# KiCad board mtk64_R_rev2.kicad_pcb (continued)
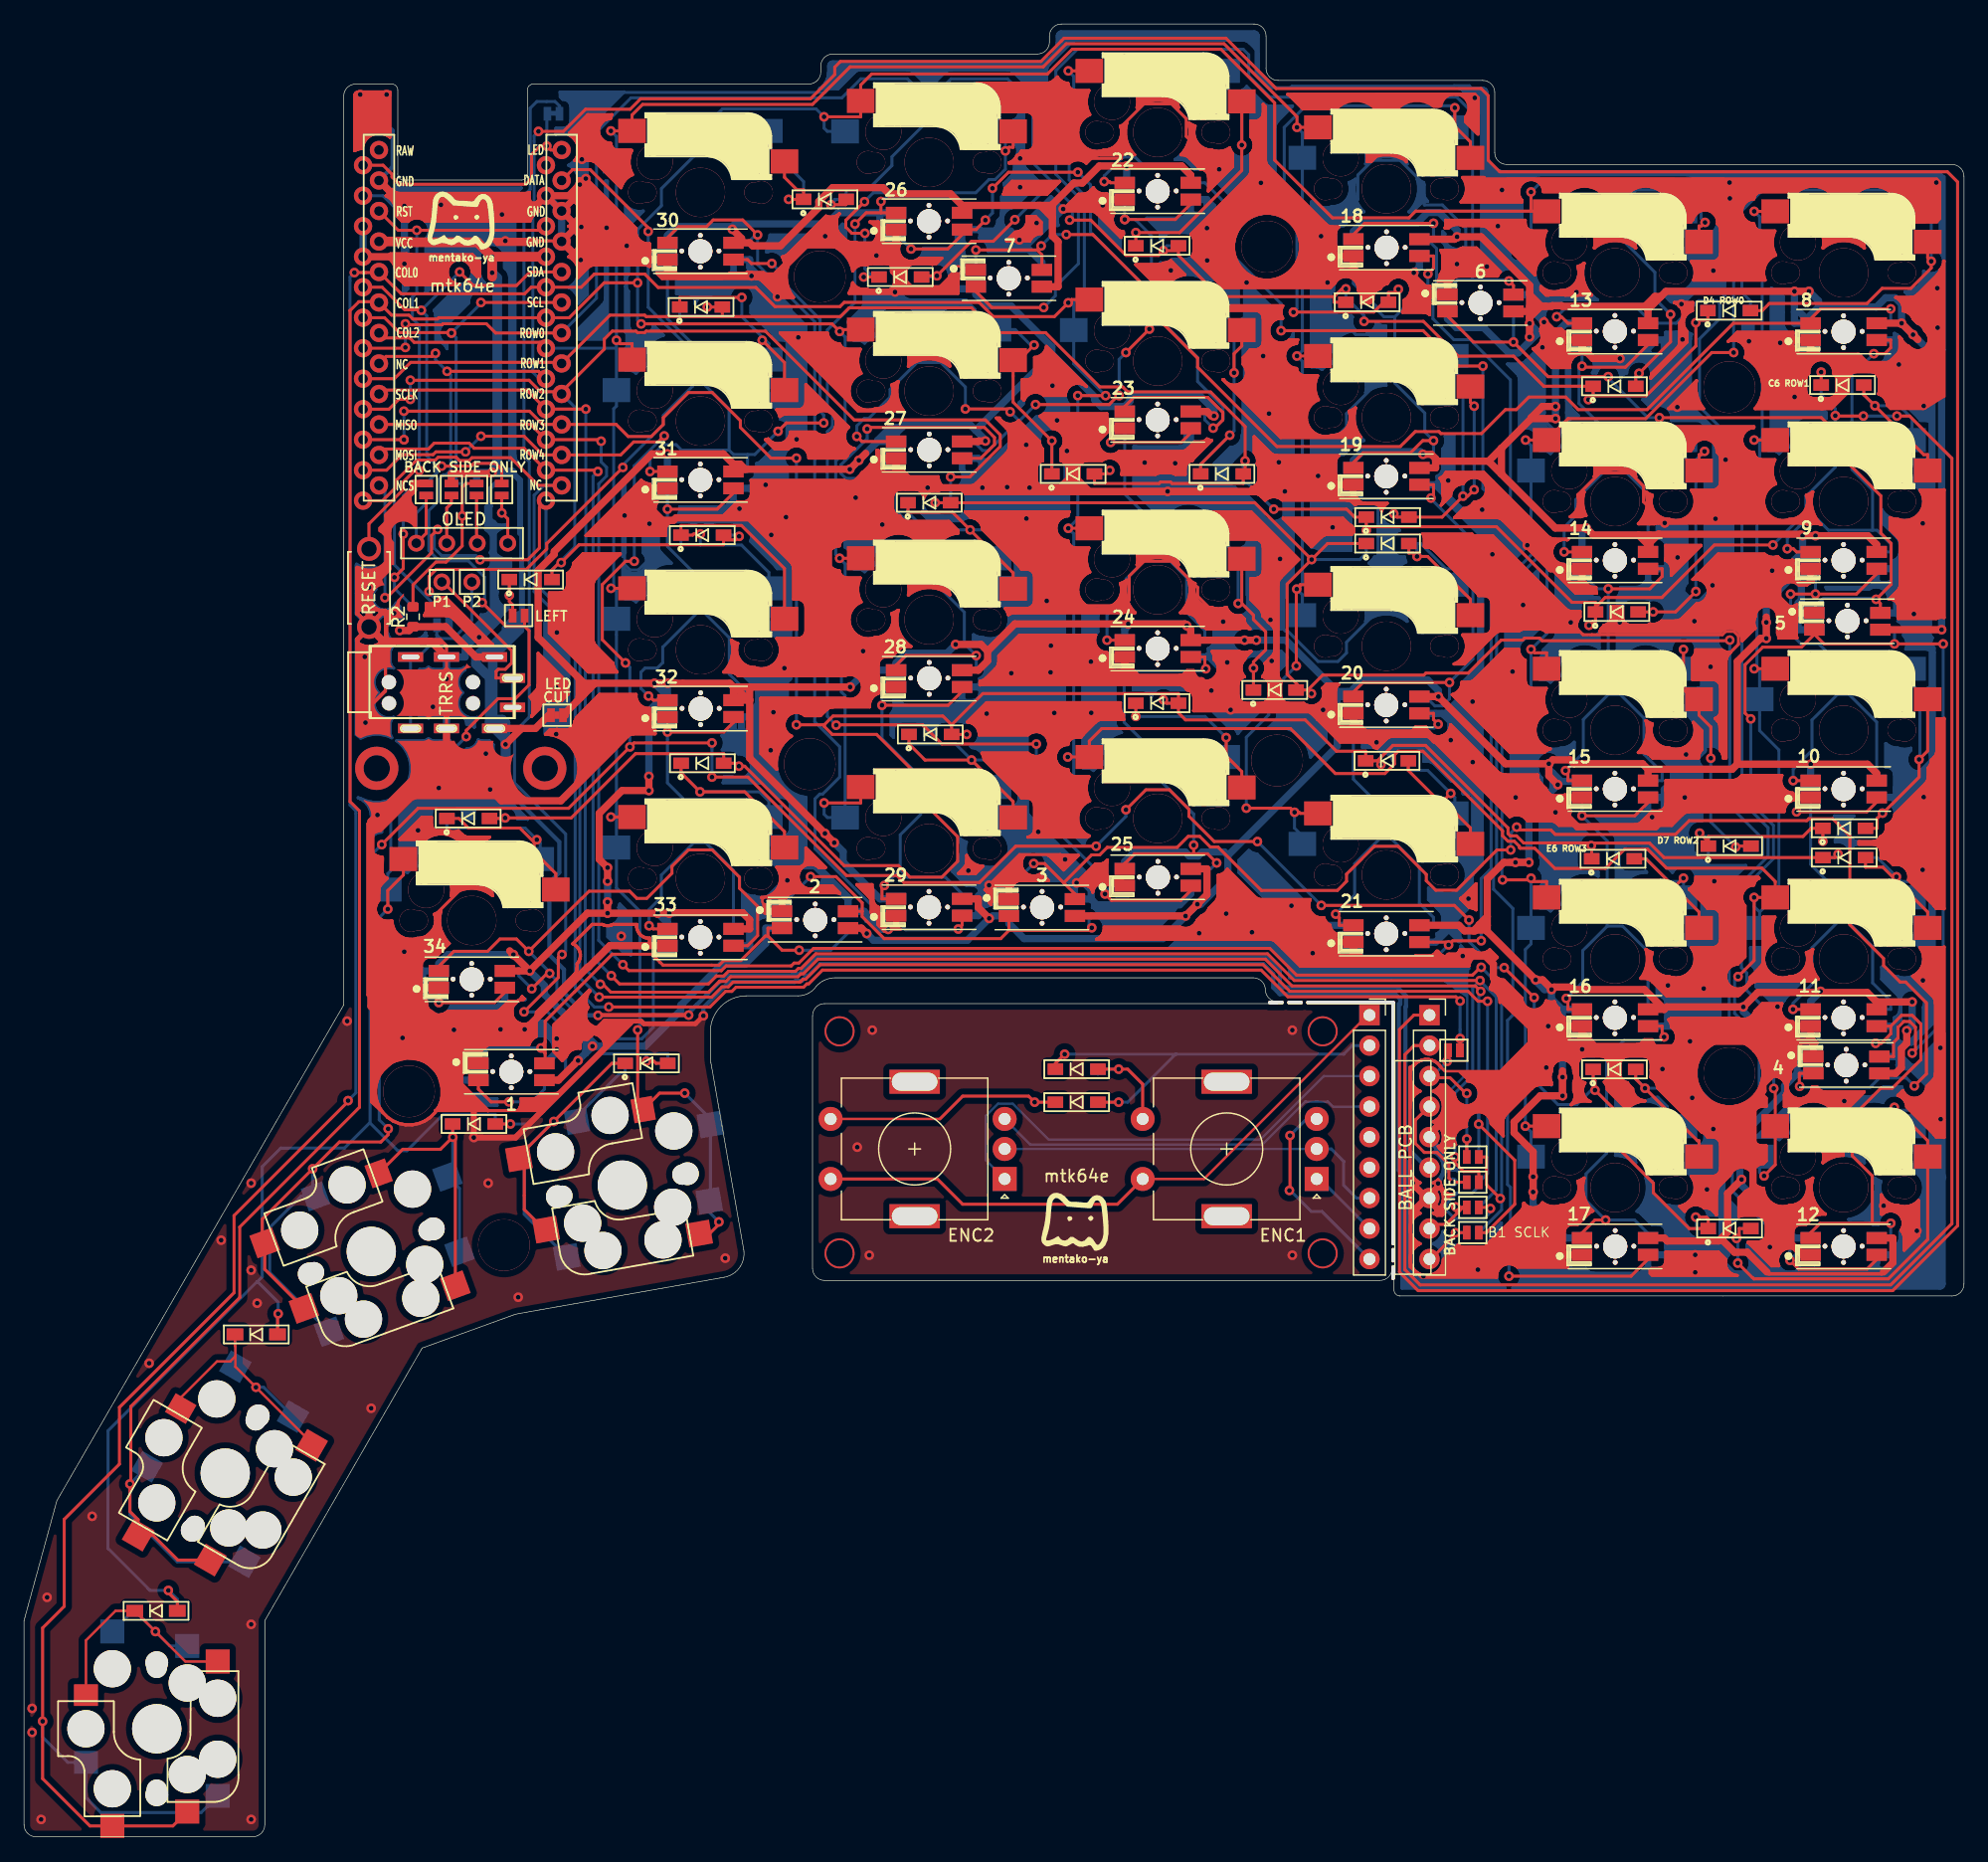
[diagram p0: board, top side]
## Routing (per net, layer and track width the routed paths; a pad name or vN(x,y) marks a point on that pad's centre or on a via; arc(x,y) is an arc through that point) (continued)
130.62,104.09 ; 130.49,104.13 130.62,104.09 ; 157.11,134.39 157.01,134.31 ; 157.11,134.39 157.01,134.31 ; 157.11,134.39 157.22,134.45 ; 157.11,134.39 157.22,134.45 ; 131.29,113.61 130.85,113.31 ; 131.29,113.61 131.78,113.81 ; 131.29,113.61 130.85,113.31 ; 131.29,113.61 131.78,113.81 ; 130.85,113.31 130.83,113.3 ; 130.85,113.31 130.83,113.3 ; 44.76,103.62 44.88,103.66 ; 44.76,103.62 44.63,103.61 ; 44.76,103.62 44.63,103.61 ; 44.76,103.62 44.88,103.66 ; 44.88,103.66 44.99,103.72 ; 44.88,103.66 44.99,103.72 ; 112.99,128.93 113.05,129.05 ; 112.99,128.93 113.05,129.05 ; 67.65,105.5 67.85,105.46 ; 67.65,105.5 67.46,105.58 ; 67.65,105.5 67.85,105.46 ; 67.65,105.5 67.46,105.58 ; 118,130.14 118.07,130.22 ; 118,130.14 118.07,130.22 ; 117.94,57.4 117.83,57.51 ; 117.94,57.4 117.92,57.37 ; 117.94,57.4 117.83,57.51 ; 117.94,57.4 117.92,57.37 ; 42.6,135.24 42.4,135.05 ; 42.6,135.24 42.4,135.05 ; 132.07,134.73 132.16,135.15 ; 132.07,134.73 131.91,134.34 ; 132.07,134.73 132.16,135.15 ; 132.07,134.73 131.91,134.34 ; 44.41,92.25 44.35,92.23 ; 44.41,92.25 44.35,92.23 ; 128.09,125.54 128.12,125.51 ; 128.09,125.54 128.07,125.56 ; 128.09,125.54 128.12,125.51 ; 128.09,125.54 128.07,125.56 ; 128.12,125.51 128.18,125.46 ; 128.12,125.51 128.18,125.46 ; 100.31,108.09 102.61,108.09 ; 100.31,108.09 102.61,108.09 ; 130.23,137.49 129.81,137.49 ; 130.23,137.49 130.64,137.41 ; 130.23,137.49 129.81,137.49 ; 130.23,137.49 130.64,137.41 ; 102.15,123.87 102.61,123.87 ; 102.15,123.87 102.09,123.76 ; 102.15,123.87 102.61,123.87 ; 102.15,123.87 102.09,123.76 ; 102.61,123.87 102.73,123.88 ; 102.61,123.87 102.73,123.88 ; 84.76,80.25 85.36,79.65 ; 84.76,80.25 85.36,79.65 ; 85.36,79.65 83.04,79.65 ; 85.36,79.65 83.04,79.65 ; 43.77,103.61 44.63,103.61 ; 43.77,103.61 44.63,103.61 ; 122.21,73.09 122.07,73.23 ; 122.21,73.09 122.07,73.23 ; 122.21,73.09 122.33,72.92 ; 122.21,73.09 122.33,72.92 ; 122.07,73.23 121.9,73.34 ; 122.07,73.23 121.9,73.34 ; 109.38,73.67 109.46,73.57 ; 109.38,73.67 109.32,73.78 ; 109.38,73.67 109.32,73.78 ; 109.38,73.67 109.46,73.57 ; 109.46,73.57 109.56,73.49 ; 109.46,73.57 109.56,73.49 ; 74.53,107.82 74.76,107.47 ; 74.53,107.82 74.76,107.47 ; 76.02,131.06 75.96,131.06 ; 76.02,131.06 75.96,131.06 ; 76.02,131.06 76.46,131.5 ; 76.02,131.06 76.46,131.5 ; 75.96,131.06 75.76,131.02 ; 75.96,131.06 75.76,131.02 ; 68.32,108.09 68.21,108.03 ; 68.32,108.09 68.21,108.03 ; 68.32,108.09 68.44,108.12 ; 68.32,108.09 68.44,108.12 ; 68.21,108.03 68.11,107.95 ; 68.21,108.03 68.11,107.95 ; 149.42,123.24 149.32,123.33 ; 149.42,123.24 149.32,123.33 ; 34.41,102.93 34.55,103.07 ; 34.41,102.93 34.55,103.07 ; 34.41,102.93 34.24,102.81 ; 34.41,102.93 34.24,102.81 ; 144.98,61.68 145.12,61.53 ; 144.98,61.68 144.87,61.85 ; 144.98,61.68 145.12,61.53 ; 144.98,61.68 144.87,61.85 ; 145.12,61.53 145.15,61.51 ; 145.12,61.53 145.15,61.51 ; 102.5,115.32 102.5,116.62 ; 102.5,115.32 102.5,116.62 ; 102.5,116.62 103.82,115.3 ; 102.5,116.62 103.82,115.3 ; 87.61,107.36 88.73,107.36 ; 87.61,107.36 87.49,107.37 ; 87.61,107.36 87.49,107.37 ; 87.61,107.36 88.73,107.36 ; 88.73,107.36 88.6,107.04 ; 88.73,107.36 88.6,107.04 ; 83.04,105.71 82.95,105.82 ; 83.04,105.71 82.95,105.82 ; 82.95,105.82 82.92,105.84 ; 82.95,105.82 82.92,105.84 ; 91.58,117.45 91.58,117.47 ; 91.58,117.45 91.58,117.47 ; 91.58,117.45 90.38,117.45 ; 91.58,117.45 90.38,117.45 ; 91.58,117.47 91.84,117.47 ; 91.58,117.47 91.84,117.47 ; 96.15,95.99 79.92,95.99 ; 96.15,95.99 79.92,95.99 ; 30.76,59.62 30.3,59.93 ; 30.76,59.62 30.3,59.93 ; 129.96,48.35 129.94,48.35 ; 129.96,48.35 129.96,48.6 ; 129.96,48.35 129.96,48.6 ; 129.96,48.35 129.94,48.35 ; 118.47,134.5 118.47,134.3 ; 118.47,134.5 118.47,134.3 ; 89.2,99.78 89.2,99.57 ; 89.2,99.78 89.2,99.57 ; 89.2,99.57 89.24,99.37 ; 89.2,99.57 89.24,99.37 ; 91.58,97.3 91.42,97.14 ; 91.58,97.3 91.42,97.14 ; 147.51,60.65 147.41,60.73 ; 147.51,60.65 147.41,60.73 ; 147.41,60.73 147.3,60.78 ; 147.41,60.73 147.3,60.78 ; 102.77,114.51 102.77,114.72 ; 102.77,114.51 102.77,114.72 ; 102.77,114.51 102.75,114.38 ; 102.77,114.51 102.75,114.38 ; 102.77,114.72 102.73,114.92 ; 102.77,114.72 102.73,114.92 ; 49.76,137.44 49.74,137.37 ; 49.76,137.44 49.74,137.37 ; 49.74,137.37 47.73,139.38 ; 49.74,137.37 47.73,139.38 ; 36.9,81.62 36.9,81.2 ; 36.9,81.62 36.9,81.2 ; 155.68,109.8 155.96,109.74 ; 155.68,109.8 155.47,109.88 ; 155.68,109.8 155.96,109.74 ; 155.68,109.8 155.47,109.88 ; 155.96,109.74 156.13,109.74 ; 155.96,109.74 156.13,109.74 ; 102.22,138.81 102.22,138.85 ; 102.22,138.81 102.22,138.85 ; 46.12,72.77 46.24,72.94 ; 46.12,72.77 46.08,72.72 ; 46.12,72.77 46.08,72.72 ; 46.12,72.77 46.24,72.94 ; 46.24,72.94 46.32,73.12 ; 46.24,72.94 46.32,73.12 ; 77.86,80.25 78.3,80.69 ; 77.86,80.25 78.3,80.69 ; 122.21,70.6 122.21,70.63 ; 122.21,70.6 122.21,70.63 ; 92.52,96.74 92.63,96.73 ; 92.52,96.74 92.39,96.78 ; 92.52,96.74 92.39,96.78 ; 92.52,96.74 92.63,96.73 ; 92.63,96.73 92.66,96.73 ; 92.63,96.73 92.66,96.73 ; 94.86,112.02 94.71,111.98 ; 94.86,112.02 94.71,111.98 ; 67.34,79.22 67.97,78.59 ; 67.34,79.22 67.97,78.59 ; 119.8,96.17 120.29,96.17 ; 119.8,96.17 120.29,96.17 ; 120.29,96.17 120.33,96.17 ; 120.29,96.17 120.33,96.17 ; 151.21,59.37 151.12,59.78 ; 151.21,59.37 151.12,59.78 ; 90.22,136.09 90.38,136.25 ; 90.22,136.09 90.38,136.25 ; 91.46,114.13 91.5,113.93 ; 91.46,114.13 91.5,113.93 ; 109.32,130.93 109.38,130.82 ; 109.32,130.93 109.38,130.82 ; 109.32,130.93 109.28,131.05 ; 109.32,130.93 109.28,131.05 ; 109.38,130.82 109.46,130.72 ; 109.38,130.82 109.46,130.72 ; 144.13,65.49 147.6,65.49 ; 144.13,65.49 144.25,65.38 ; 144.13,65.49 144.25,65.38 ; 144.13,65.49 147.6,65.49 ; 144.13,65.49 147.6,65.49 ; 144.13,65.49 147.6,65.49 ; 155.95,128.22 156.03,128.19 ; 155.95,128.22 156.03,128.19 ; 105.21,94.42 105.34,94.41 ; 105.21,94.42 105.09,94.46 ; 105.21,94.42 105.34,94.41 ; 105.21,94.42 105.09,94.46 ; 105.34,94.41 106.61,94.41 ; 105.34,94.41 106.61,94.41 ; 61.13,129.8 61.01,129.81 ; 61.13,129.8 61.01,129.81 ; 61.01,129.81 60.98,129.82 ; 61.01,129.81 60.98,129.82 ; 103.2,107.7 103.14,107.81 ; 103.2,107.7 103.24,107.58 ; 103.2,107.7 103.24,107.58 ; 103.2,107.7 103.14,107.81 ; 103.14,107.81 103.06,107.91 ; 103.14,107.81 103.06,107.91 ; 118.29,57.12 118.26,57.03 ; 118.29,57.12 118.26,57.03 ; 79.87,90.18 79.94,89.99 ; 79.87,90.18 79.94,89.99 ; 155.21,119.5 155.13,119.69 ; 155.21,119.5 155.13,119.69 ; 155.13,119.69 155.01,119.86 ; 155.13,119.69 155.01,119.86 ; 104.7,95.05 104.7,96 ; 104.7,95.05 104.7,96 ; 137.95,124.52 137.94,124.56 ; 137.95,124.52 137.94,124.56 ; 62.96,99.34 62.84,99.63 ; 62.96,99.34 62.84,99.63 ; 121.21,62.23 121.13,62.42 ; 121.21,62.23 121.13,62.42 ; 121.13,62.42 121.01,62.59 ; 121.13,62.42 121.01,62.59 ; 119.72,61.01 119.91,60.93 ; 119.72,61.01 119.55,61.12 ; 119.72,61.01 119.55,61.12 ; 119.72,61.01 119.91,60.93 ; 119.91,60.93 120.11,60.89 ; 119.91,60.93 120.11,60.89 ; 126.18,88.02 126.26,87.86 ; 126.18,88.02 126.26,87.86 ; 131.38,137.01 131.03,137.25 ; 131.38,137.01 131.68,136.72 ; 131.38,137.01 131.68,136.72 ; 131.38,137.01 131.03,137.25 ; 131.03,137.25 130.64,137.41 ; 131.03,137.25 130.64,137.41 ; 53.76,74.1 53.74,74.1 ; 53.76,74.1 53.76,74.35 ; 53.76,74.1 53.74,74.1 ; 53.76,74.1 53.76,74.35 ; 67.15,105.84 67.3,105.69 ; 67.15,105.84 67.3,105.69 ; 93.97,109.58 94.06,109.17 ; 93.97,109.58 94.06,109.17 ; 33.08,71.5 33.11,71.43 ; 33.08,71.5 33.11,71.43 ; 52.13,74.85 51.98,74.85 ; 52.13,74.85 51.98,74.85 ; 147.69,99.93 147.68,100.05 ; 147.69,99.93 147.68,100.05 ; 145.78,112.63 145.52,112.46 ; 145.78,112.63 145.52,112.46 ; 152.18,121.85 152.1,121.76 ; 152.18,121.85 152.28,121.93 ; 152.18,121.85 152.28,121.93 ; 152.18,121.85 152.1,121.76 ; 152.1,121.76 152.05,121.64 ; 152.1,121.76 152.05,121.64 ; 139.3,98.87 141.47,98.87 ; 139.3,98.87 139.3,98.8 ; 139.3,98.87 139.3,98.8 ; 139.3,98.87 141.47,98.87 ; 141.47,98.87 141.63,98.76 ; 141.47,98.87 141.63,98.76 ; 101.63,96.69 101.68,96.65 ; 101.63,96.69 101.68,96.65 ; 147.26,71.64 147.54,71.7 ; 147.26,71.64 147.54,71.7 ; 131.28,100.39 141.36,100.39 ; 131.28,100.39 141.36,100.39 ; 99.02,98.7 99.09,98.57 ; 99.02,98.7 99.09,98.57 ; 122.3,102.76 122.29,102.88 ; 122.3,102.76 122.3,100.76 ; 122.3,102.76 122.29,102.88 ; 122.3,102.76 122.3,100.76 ; 74.21,131.26 74.39,131.34 ; 74.21,131.26 74.39,131.34 ; 147.08,67.93 147.28,67.89 ; 147.08,67.93 147.28,67.89 ; 147.28,67.89 147.37,67.89 ; 147.28,67.89 147.37,67.89 ; 72.53,132.9 72.53,133.75 ; 72.53,132.9 72.53,133.75 ; 72.53,132.9 72.37,132.74 ; 72.53,132.9 72.37,132.74 ; 72.53,133.75 71.33,133.75 ; 72.53,133.75 71.33,133.75 ; 45.31,70.9 42.91,68.5 ; 45.31,70.9 45.33,70.93 ; 45.31,70.9 42.91,68.5 ; 45.31,70.9 45.33,70.93 ; 131.51,65.03 131.39,65.04 ; 131.51,65.03 131.63,64.99 ; 131.51,65.03 131.63,64.99 ; 131.51,65.03 131.39,65.04 ; 120.9,60.36 120.71,60.28 ; 120.9,60.36 121.1,60.4 ; 120.9,60.36 121.1,60.4 ; 120.9,60.36 120.71,60.28 ; 120.71,60.28 120.54,60.17 ; 120.71,60.28 120.54,60.17 ; 99.27,96.63 99.38,96.8 ; 99.27,96.63 99.38,96.8 ; 99.27,96.63 99.12,96.49 ; 99.27,96.63 99.12,96.49 ; 99.38,96.8 99.46,96.99 ; 99.38,96.8 99.46,96.99 ; 129.98,110.44 130.14,110.06 ; 129.98,110.44 130.14,110.06 ; 129.98,110.44 129.88,110.96 ; 129.98,110.44 129.88,110.96 ; 130.14,110.06 130.06,110.06 ; 130.14,110.06 130.06,110.06 ; 75.9,107.08 75.81,106.67 ; 75.9,107.08 75.81,106.67 ; 117.53,54.52 117.75,54.67 ; 117.53,54.52 117.75,54.67 ; 148.49,109.37 148.29,109.41 ; 148.49,109.37 148.29,109.41 ; 79.98,89.79 79.94,89.99 ; 79.98,89.79 79.94,89.99 ; 108.18,94.73 108.26,94.92 ; 108.18,94.73 108.26,94.92 ; 108.18,94.73 108.07,94.56 ; 108.18,94.73 108.07,94.56 ; 115.34,92.03 115.45,92.04 ; 115.34,92.03 115.45,92.04 ; 115.34,92.03 115.31,92.03 ; 115.34,92.03 115.31,92.03 ; 115.45,92.04 115.58,92.08 ; 115.45,92.04 115.58,92.08 ; 99.48,78.3 99.5,78.48 ; 99.48,78.3 99.5,78.48 ; 147.37,86.94 147.38,86.86 ; 147.37,86.94 147.3,86.94 ; 147.37,86.94 147.3,86.94 ; 147.37,86.94 147.38,86.86 ; 118.82,92.37 118.86,92.57 ; 118.82,92.37 118.74,92.18 ; 118.82,92.37 118.74,92.18 ; 118.82,92.37 118.86,92.57 ; 118.86,92.57 118.86,92.64 ; 118.86,92.57 118.86,92.64 ; 150.63,119.86 150.74,119.92 ; 150.63,119.86 150.74,119.92 ; 150.63,119.86 150.51,119.82 ; 150.63,119.86 150.51,119.82 ; 150.74,119.92 150.84,120 ; 150.74,119.92 150.84,120 ; 127.7,69.18 127.84,69.03 ; 127.7,69.18 127.84,69.03 ; 127.7,69.18 127.58,69.35 ; 127.7,69.18 127.58,69.35 ; 127.84,69.03 127.87,69.01 ; 127.84,69.03 127.87,69.01 ; 159.24,58.4 159.23,58.43 ; 159.24,58.4 159.23,58.43 ; 159.23,58.43 159.17,58.49 ; 159.23,58.43 159.17,58.49 ; 129.94,105.5 129.94,104.65 ; 129.94,105.5 129.94,104.65 ; 129.94,104.65 130.1,104.49 ; 129.94,104.65 130.1,104.49 ; 97.47,96.99 97.55,96.8 ; 97.47,96.99 97.55,96.8 ; 72.51,129.33 72.47,129.21 ; 72.51,129.33 72.47,129.21 ; 128.48,86.45 128.33,86.29 ; 128.48,86.45 129.68,86.45 ; 128.48,86.45 128.33,86.29 ; 128.48,86.45 129.68,86.45 ; 97.47,93.95 97.47,94.9 ; 97.47,93.95 97.46,93.83 ; 97.47,93.95 97.47,94.9 ; 97.47,93.95 97.46,93.83 ; 144.55,62.28 144.76,62.79 ; 144.55,62.28 144.25,61.82 ; 144.55,62.28 144.25,61.82 ; 144.55,62.28 144.76,62.79 ; 144.76,62.79 144.87,63.33 ; 144.76,62.79 144.87,63.33 ; 141.3,112.56 141.34,112.68 ; 141.3,112.56 141.34,112.68 ; 128.72,50.96 128.61,50.91 ; 128.72,50.96 128.84,51 ; 128.72,50.96 128.84,51 ; 128.72,50.96 128.61,50.91 ; 128.61,50.91 128.51,50.83 ; 128.61,50.91 128.51,50.83 ; 147.53,124.8 148.73,124.8 ; 147.53,124.8 148.73,124.8 ; 51.67,112.81 51.5,112.92 ; 51.67,112.81 51.5,112.92 ; 144.13,115.22 144.17,115.1 ; 144.13,115.22 144.13,115.31 ; 144.13,115.22 144.17,115.1 ; 144.13,115.22 144.13,115.31 ; 144.17,115.1 144.23,114.99 ; 144.17,115.1 144.23,114.99 ; 68.32,123.96 68.44,123.92 ; 68.32,123.96 68.21,124.02 ; 68.32,123.96 68.21,124.02 ; 68.32,123.96 68.44,123.92 ; 68.44,123.92 68.56,123.91 ; 68.44,123.92 68.56,123.91 ; 115.48,53.14 115.52,52.87 ; 115.48,53.14 115.52,52.87 ; 115.48,53.14 115.49,53.41 ; 115.48,53.14 115.49,53.41 ; 128.96,51.01 128.84,51 ; 128.96,51.01 128.84,51 ; 99.83,107.87 99.63,108.07 ; 99.83,107.87 99.63,108.07 ; 99.83,107.87 99.86,107.91 ; 99.83,107.87 99.86,107.91 ; 99.63,108.07 99.28,108.31 ; 99.63,108.07 99.28,108.31 ; 112.49,111.04 111.19,111.04 ; 112.49,111.04 111.19,111.04 ; 112.49,111.04 112.61,111.03 ; 112.49,111.04 112.61,111.03 ; 111.19,111.04 111.06,111.03 ; 111.19,111.04 111.06,111.03 ; 137.15,116.93 136.99,117.32 ; 137.15,116.93 136.99,117.32 ; 46.56,106.87 49.67,106.87 ; 46.56,106.87 49.67,106.87 ; 141.63,98.76 141.82,98.69 ; 141.63,98.76 141.82,98.69 ; 141.82,98.69 142.02,98.65 ; 141.82,98.69 142.02,98.65 ; 47.42,104.27 47.42,99.75 ; 47.42,104.27 47.42,99.75 ; 47.42,99.75 47.42,99.72 ; 47.42,99.75 47.42,99.72 ; 81.86,117.71 82.06,117.67 ; 81.86,117.71 82.06,117.67 ; 151.12,135.98 151.21,135.57 ; 151.12,135.98 151.21,135.57 ; 157.16,124.03 157.27,123.94 ; 157.16,124.03 157.27,123.94 ; 157.27,123.94 157.43,123.85 ; 157.27,123.94 157.43,123.85 ; 137.96,115.26 137.93,115.22 ; 137.96,115.26 137.93,115.22 ; 137.96,115.26 138.06,115.34 ; 137.96,115.26 138.06,115.34 ; 109.27,133.58 109.27,132.58 ; 109.27,133.58 109.27,132.58 ; 109.27,132.58 109.28,132.45 ; 109.27,132.58 109.28,132.45 ; 43.67,91.84 43.44,91.84 ; 43.67,91.84 43.44,91.84 ; 43.67,91.84 44.22,91.73 ; 43.67,91.84 44.22,91.73 ; 43.44,91.84 43.82,92.22 ; 43.44,91.84 43.82,92.22 ; 151.78,60.51 151.81,60.54 ; 151.78,60.51 151.81,60.54 ; 29.17,141.85 28.91,141.74 ; 29.17,141.85 28.91,141.74 ; 107.56,120.98 107.56,120.56 ; 107.56,120.98 107.56,120.56 ; 105.34,134.61 104.89,134.92 ; 105.34,134.61 104.89,134.92 ; 72.81,114.95 72.81,114.7 ; 72.81,114.95 72.81,114.7 ; 84.25,133.43 84.44,133.51 ; 84.25,133.43 84.44,133.51 ; 115.49,50.81 115.49,50.53 ; 115.49,50.81 115.49,50.53 ; 129.98,129.49 130.18,129 ; 129.98,129.49 130.18,129 ; 143.84,79.24 143.66,79.16 ; 143.84,79.24 143.66,79.16 ; 143.84,79.24 144.04,79.28 ; 143.84,79.24 144.04,79.28 ; 143.66,79.16 143.49,79.05 ; 143.66,79.16 143.49,79.05 ; 88.6,143.89 88.76,143.5 ; 88.6,143.89 88.76,143.5 ; 136.76,136.72 136.46,137.01 ; 136.76,136.72 136.46,137.01 ; 136.46,137.01 136.11,137.25 ; 136.46,137.01 136.11,137.25 ; 71.33,76.6 72.53,76.6 ; 71.33,76.6 72.53,76.6 ; 135.72,63.16 135.55,63.27 ; 135.72,63.16 135.55,63.27 ; 135.72,63.16 135.86,63.01 ; 135.72,63.16 135.86,63.01 ; 135.55,63.27 135.54,63.27 ; 135.55,63.27 135.54,63.27 ; 118.22,111.22 118.26,111.42 ; 118.22,111.22 118.26,111.42 ; 159.37,90.42 159.37,90.46 ; 159.37,90.42 159.37,90.46 ; 159.37,90.46 159.37,90.49 ; 159.37,90.46 159.37,90.49 ; 97.03,114.53 96.93,114.45 ; 97.03,114.53 96.93,114.45 ; 122.39,49.79 122.49,49.9 ; 122.39,49.79 122.28,49.69 ; 122.39,49.79 122.28,49.69 ; 122.39,49.79 122.49,49.9 ; 122.49,49.9 124.71,52.12 ; 122.49,49.9 124.71,52.12 ; 68.56,123.91 69.68,123.91 ; 68.56,123.91 69.68,123.91 ; 46.19,140.37 46.19,140.64 ; 46.19,140.37 46.14,140.1 ; 46.19,140.37 46.14,140.1 ; 46.19,140.37 46.19,140.64 ; 46.19,140.64 46.14,140.91 ; 46.19,140.64 46.14,140.91 ; 88.53,114.64 88.41,114.63 ; 88.53,114.64 88.41,114.63 ; 117.53,64.6 117.27,64.7 ; 117.53,64.6 117.27,64.7 ; 77.06,129.72 77.1,129.92 ; 77.06,129.72 77.1,129.92 ; 61.6,97.29 61.9,97.35 ; 61.6,97.29 61.9,97.35 ; 61.6,97.29 61.28,97.29 ; 61.6,97.29 61.28,97.29 ; 69.75,132.57 69.95,132.53 ; 69.75,132.57 69.95,132.53 ; 69.95,132.53 70.16,132.53 ; 69.95,132.53 70.16,132.53 ; 101.73,98.15 101.71,98.09 ; 101.73,98.15 101.8,98.28 ; 101.73,98.15 101.8,98.28 ; 101.73,98.15 101.71,98.09 ; 101.71,98.09 101.63,98.01 ; 101.71,98.09 101.63,98.01 ; 59.96,111.19 60.08,111.2 ; 59.96,111.19 60.08,111.2 ; 157.85,52.99 157.85,50.07 ; 157.85,52.99 157.85,50.07 ; 157.85,50.07 156.65,48.87 ; 157.85,50.07 156.65,48.87 ; 146.35,68.82 146.39,68.62 ; 146.35,68.82 146.35,69.03 ; 146.35,68.82 146.35,69.03 ; 146.35,68.82 146.39,68.62 ; 146.39,68.62 146.47,68.44 ; 146.39,68.62 146.47,68.44 ; 142.71,72.69 142.51,72.65 ; 142.71,72.69 142.51,72.65 ; 38.23,65.66 38.17,65.56 ; 38.23,65.66 38.17,65.56 ; 63.54,131.74 63.38,131.65 ; 63.54,131.74 63.38,131.65 ; 126.37,125.38 126.37,125.61 ; 126.37,125.38 126.43,125.23 ; 126.37,125.38 126.37,125.61 ; 126.37,125.38 126.43,125.23 ; 126.37,125.61 126.43,125.76 ; 126.37,125.61 126.43,125.76 ; 135.54,63.27 135.56,63.33 ; 135.54,63.27 135.56,63.33 ; 138.49,126.78 138.38,126.61 ; 138.49,126.78 138.63,126.93 ; 138.49,126.78 138.63,126.93 ; 138.49,126.78 138.38,126.61 ; 138.38,126.61 138.3,126.43 ; 138.38,126.61 138.3,126.43 ; 129.68,105.5 128.48,105.5 ; 129.68,105.5 128.48,105.5 ; 97.85,101.23 97.79,101.37 ; 97.85,101.23 97.79,101.37 ; 159.87,101.59 159.97,101.57 ; 159.87,101.59 159.97,101.57 ; 34.69,70.58 34.43,70.58 ; 34.69,70.58 34.69,70.6 ; 34.69,70.58 34.69,70.6 ; 34.69,70.58 34.43,70.58 ; 34.43,70.58 34.43,70.6 ; 34.43,70.58 34.43,70.6 ; 72.34,101.81 72.4,101.52 ; 72.34,101.81 72.4,101.52 ; 90.22,118.23 90.23,118.1 ; 90.22,118.23 90.23,118.1 ; 90.22,118.23 90.22,118.54 ; 90.22,118.23 90.22,118.54 ; 156.58,62.05 156.54,62.16 ; 156.58,62.05 156.54,62.16 ; 98.77,96.3 98.95,96.37 ; 98.77,96.3 98.95,96.37 ; 98.77,96.3 98.57,96.26 ; 98.77,96.3 98.57,96.26 ; 98.95,96.37 99.12,96.49 ; 98.95,96.37 99.12,96.49 ; 115.99,51.75 115.8,51.55 ; 115.99,51.75 115.8,51.55 ; 145.15,61.51 145.15,60.83 ; 145.15,61.51 145.15,60.83 ; 35.79,101.46 35.65,101.58 ; 35.79,101.46 35.65,101.58 ; 117.92,57.37 117.93,57.37 ; 117.92,57.37 117.93,57.37 ; 110.63,131.82 110.63,131.8 ; 110.63,131.82 110.63,131.8 ; 63.69,91.51 63.3,91.13 ; 63.69,91.51 63.3,91.13 ; 63.69,91.51 63.94,91.68 ; 63.69,91.51 63.94,91.68 ; 96.4,96.74 96.53,96.78 ; 96.4,96.74 96.53,96.78 ; 139.16,111.69 139.04,111.98 ; 139.16,111.69 139.22,111.38 ; 139.16,111.69 139.04,111.98 ; 139.16,111.69 139.22,111.38 ; 139.04,111.98 138.92,112.17 ; 139.04,111.98 138.92,112.17 ; 148.5,73.65 148.81,73.77 ; 148.5,73.65 148.81,73.77 ; 109.02,134.09 109.05,134.09 ; 109.02,134.09 109.05,134.09 ; 109.05,134.09 109.54,134.09 ; 109.05,134.09 109.54,134.09 ; 136.16,47.34 135.61,47.34 136.16,47.34 ; 141.3,134.1 141.24,134.21 ; 141.3,134.1 141.24,134.21 ; 141.24,134.21 141.16,134.31 ; 141.24,134.21 141.16,134.31 ; 133.01,64.52 133,64.4 ; 133.01,64.52 133,64.4 ; 133.01,64.52 133.05,64.64 ; 133.01,64.52 133.05,64.64 ; 133,64.4 133,63.45 ; 133,64.4 133,63.45 ; 84.01,143.51 83.91,143.59 ; 84.01,143.51 83.91,143.59 ; 128.43,50.73 128.51,50.83 ; 128.43,50.73 128.51,50.83 ; 131.68,136.72 131.91,136.37 ; 131.68,136.72 131.91,136.37 ; 122.65,100.32 122.54,100.22 ; 122.65,100.32 122.54,100.22 ; 122.54,100.22 122.51,100.19 ; 122.54,100.22 122.51,100.19 ; 102.73,127.13 102.61,127.14 ; 102.73,127.13 102.61,127.14 ; 102.61,127.14 100.31,127.14 ; 102.61,127.14 100.31,127.14 ; 147.26,109.74 147.54,109.8 ; 147.26,109.74 147.09,109.74 ; 147.26,109.74 147.54,109.8 ; 147.26,109.74 147.09,109.74 ; 136.51,85.54 136.61,85.62 ; 136.51,85.54 136.61,85.62 ; 126.82,69.6 126.82,69.64 ; 126.82,69.6 126.82,69.64 ; 126.82,69.6 126.74,69.41 ; 126.82,69.6 126.74,69.41 ; 126.82,69.64 126.97,69.58 ; 126.82,69.64 126.97,69.58 ; 136.36,109.91 136.63,109.8 ; 136.36,109.91 136.63,109.8 ; 147.03,49.05 146.83,49.01 ; 147.03,49.05 146.83,49.01 ; 152.05,121.64 152.01,121.53 ; 152.05,121.64 152.01,121.53 ; 76.71,112.36 76.9,112.28 ; 76.71,112.36 76.9,112.28 ; 76.71,112.36 76.55,112.47 ; 76.71,112.36 76.55,112.47 ; 76.9,112.28 77.1,112.24 ; 76.9,112.28 77.1,112.24 ; 84.65,118.34 85.67,117.31 ; 84.65,118.34 85.67,117.31 ; 140.31,65.76 139.92,65.38 ; 140.31,65.76 139.92,65.38 ; 139.92,65.38 139.62,64.92 ; 139.92,65.38 139.62,64.92 ; 128.33,67.81 128.48,67.65 ; 128.33,67.81 128.48,67.65 ; 128.33,67.81 128.32,68.03 ; 128.33,67.81 128.32,68.03 ; 134.56,109.37 135.43,109.37 ; 134.56,109.37 135.43,109.37 ; 83.22,133.9 83.05,133.78 ; 83.22,133.9 83.05,133.78 ; 46.36,66.15 46.44,66.34 ; 46.36,66.15 46.44,66.34 ; 46.36,66.15 46.32,65.95 ; 46.36,66.15 46.32,65.95 ; 141.16,74.25 141.24,74.35 ; 141.16,74.25 141.24,74.35 ; 141.24,74.35 141.3,74.46 ; 141.24,74.35 141.3,74.46 ; 29.31,81.73 29.5,81.65 ; 29.31,81.73 29.14,81.85 ; 29.31,81.73 29.14,81.85 ; 29.31,81.73 29.5,81.65 ; 86.7,108 86.9,107.96 ; 86.7,108 86.52,108.08 ; 86.7,108 86.9,107.96 ; 86.7,108 86.52,108.08 ; 86.9,107.96 86.98,107.96 ; 86.9,107.96 86.98,107.96 